# KiCad board led-ctrl-24v.kicad_pcb
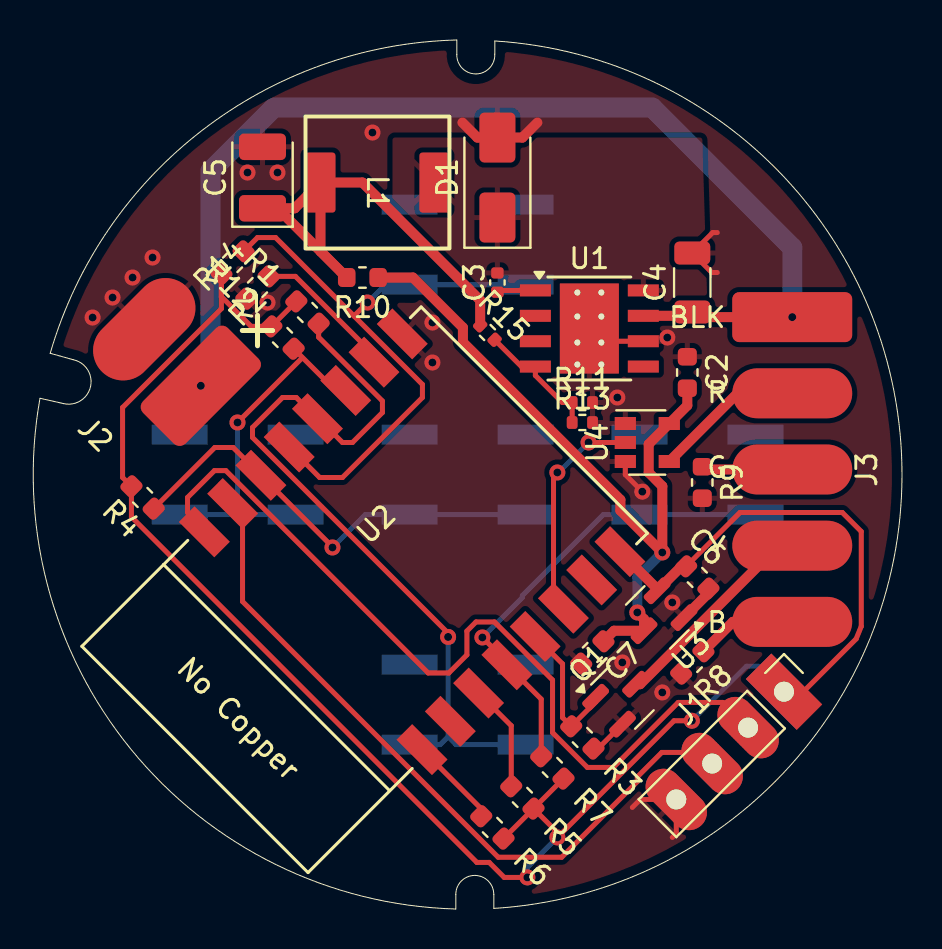
[diagram p0: board, top side]
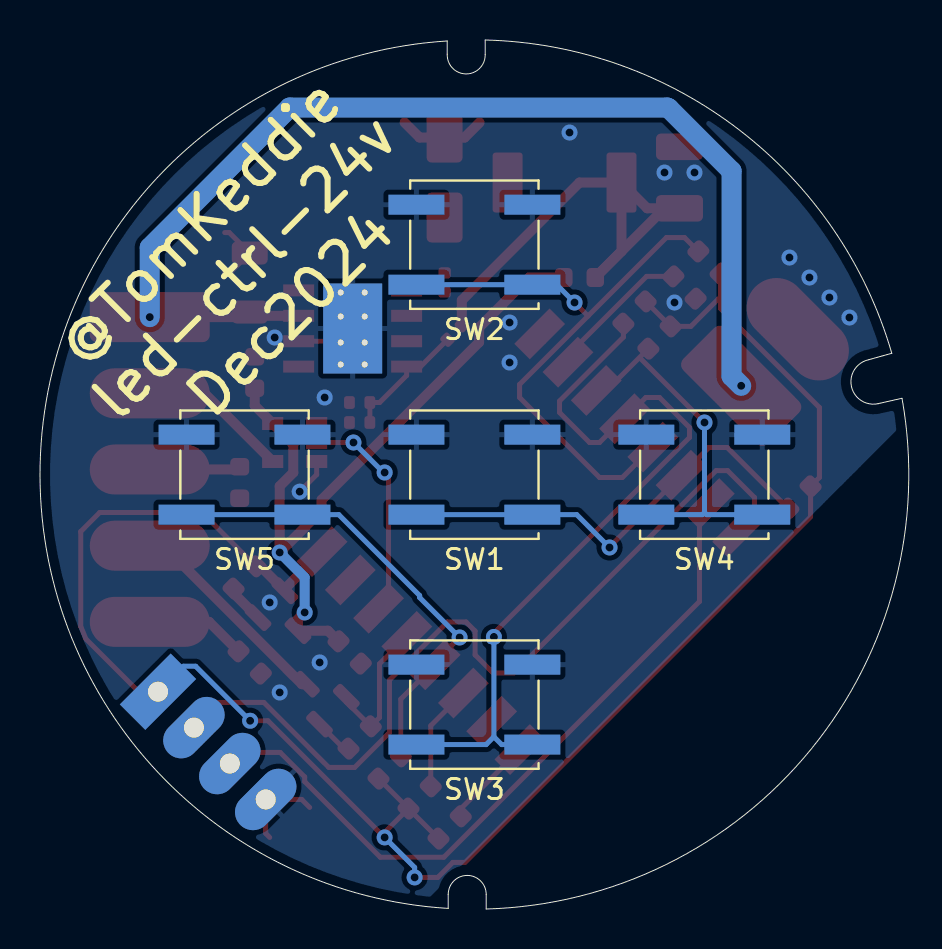
[diagram p1: board, bottom side, seen from below]

Outline 43.46 x 43.46 mm; copper layers: Top, Bottom. Coordinates in mm from the lower left corner of the outline.
Outline path: 21.19,43.46 arc(8.46,38.95) 0.85,27.79 2,27.47 arc(2.87,26.14) 1.53,25.27 0.34,25.54 ; 0.34,25.54 arc(4.88,8) 21.14,0 21.14,0.73 arc(22.09,1.68) 23.04,0.73 23.04,0.03 arc(43.46,21.7) 23.09,43.41 23.09,42.75 arc(22.15,41.76) 21.19,42.73 21.19,43.45

## Placement (name value [footprint] x y rotation side)
C2  100nF/50V/X7R  [C_0603_1608Metric]  32.72 26.83 90 top
C3  10nF/50V/X7R  [C_0402_1005Metric]  23.22 31.33 90 top
C4  10uF/50V/X5R  [C_1206_3216Metric]  32.97 31.33 90 top
C5  220uF/6.3V/TANT  [CP_EIA-3528-12_Kemet-T]  11.47 36.58 90 top
C6  10uF/10V/X5R  [C_0603_1608Metric]  33.22 16.58 315 top
C7  10uF/10V/X5R  [C_0603_1608Metric]  27.97 12.83 225 top
D1  B340  [D_SMA]  23.22 36.58 90 top
J1  Conn_01x04  [PinHeader_1x04_P2.54mm_Vertical]  37.56 10.87 315 top  (not fitted)
J2  Conn_01x02  [connector_1x02_pads]  6.97 27.58 135 top  (not fitted)
J3  Conn_01x05  [connector_1x05_pads]  37.97 21.98 270 top  (not fitted)
L1  33uH/1A  [CYA630]  17.22 36.33 180 top
Q1  AO3400A  [SOT-23]  29.47 10.58 45 top
R1  10k  [R_0603_1608Metric]  13.72 29.83 315 top
R2  10k  [R_0603_1608Metric]  9.97 32.33 45 top
R3  10k  [R_0603_1608Metric]  25.97 7.08 135 top
R4  10k  [R_0603_1608Metric]  5.47 20.58 315 top
R5  10k  [R_0603_1608Metric]  24.47 5.58 135 top
R6  10k  [R_0603_1608Metric]  22.97 4.08 135 top
R7  100k  [R_0603_1608Metric]  27.47 8.58 315 top
R8  0  [R_0603_1608Metric]  32.97 12.33 45 top
R9  0  [R_0603_1608Metric]  33.47 21.33 90 top
R10  0  [R_0603_1608Metric]  16.47 31.58 0 top
R11  10k  [R_0402_1005Metric]  27.47 25.33 0 top
R12  10k  [R_0603_1608Metric]  12.47 28.58 315 top
R13  4.7k  [R_0402_1005Metric]  27.47 24.33 0 top
R14  10k  [R_0603_1608Metric]  11.22 31.08 225 top
R15  10k  [R_0402_1005Metric]  22.72 28.83 315 top
SW1  SW_Push_Dual  [SW_Push_1P1T_NO_CK_KSC6xxJ]  21.73 21.72 180 bottom  (not fitted)
SW2  SW_Push_Dual  [SW_Push_1P1T_NO_CK_KSC6xxJ]  21.73 33.22 180 bottom  (not fitted)
SW3  SW_Push_Dual  [SW_Push_1P1T_NO_CK_KSC6xxJ]  21.73 10.22 180 bottom  (not fitted)
SW4  SW_Push_Dual  [SW_Push_1P1T_NO_CK_KSC6xxJ]  10.23 21.72 180 bottom  (not fitted)
SW5  SW_Push_Dual  [SW_Push_1P1T_NO_CK_KSC6xxJ]  33.23 21.72 180 bottom  (not fitted)
U1  TPS5430DDA  [TI_SO-PowerPAD-8_ThermalVias]  27.82 29.03 0 top
U2  ESP-12  [ESP-12E_SMD]  18.96 8.47 135 top
U3  XC6206P332MR-G  [SOT-23]  31.22 14.58 225 top
U4  74LVC1G125  [SOT-23-5]  30.72 23.33 0 top

## Library data of the parts
C2 = -: Datasheet: https://datasheet.lcsc.com/lcsc/1809301912_YAGEO-CC0603KRX7R9BB104_C14663.pdf; Description: 50V 100nF X7R   10% 0603 Multilayer Ceramic Capacitors MLCC - SMD SMT ROHS; LCSC: C14663; MFG: YAGEO; MFGPN: CC0603KRX7R9BB104
C3 = -: Datasheet: https://datasheet.lcsc.com/lcsc/1809301912_YAGEO-CC0603KRX7R9BB104_C14663.pdf; Description: 50V 10nF X7R   10% 0402 Multilayer Ceramic Capacitors MLCC - SMD SMT ROHS; LCSC: C15195
C4 = -: Description: 50V 10uF X5R   10% 2220 Multilayer Ceramic Capacitors MLCC - SMD SMT ROHS; LCSC: C13585
C5 = -: Description: 6.3V 220uF TANTULUM; LCSC: C696794
C6 C7 = -: Datasheet: https://datasheet.lcsc.com/lcsc/1810191219_Samsung-Electro-Mechanics-CL10A106KP8NNNC_C19702.pdf; LCSC: C19702; MFG: Samsung Electro-Mechanics; MFGPN: CL10A106KP8NNNC
D1 = -: Datasheet: http://www.jameco.com/Jameco/Products/ProdDS/1538777.pdf; Description: 20V 3A Schottky Barrier Rectifier Diode, SMA; LCSC: C64982; ki_fp_filters: D*SMC*
J1 = -: ki_fp_filters: Connector*:*_1x??_*
J2 = -: Description: Generic connector, single row, 01x02, script generated (kicad-library-utils/schlib/autogen/connector/); ki_fp_filters: Connector*:*_1x??_*
J3 = -: Description: Generic connector, single row, 01x05, script generated (kicad-library-utils/schlib/autogen/connector/); ki_fp_filters: Connector*:*_1x??_*
L1 = -: Description: Inductor, small symbol; LCSC: C5189961; ki_fp_filters: Choke_* *Coil* Inductor_* L_*
Q1 = -: Description: N-JFET transistor, gate/source/drain; LCSC: C20917; JLCPCB_ROTATION_DELTA: 180
R1-R6 R12 R14 = -: Datasheet: https://datasheet.lcsc.com/lcsc/2110260030_UNI-ROYAL-Uniroyal-Elec-0603WAF1002T5E_C25804.pdf; LCSC: C25804; MFG: UNI-ROYAL(Uniroyal Elec); MFGPN: 0603WAF1002T5E
R7 = -: Description: Resistor, small symbol; LCSC: C21190; MFG: UNI-ROYAL(Uniroyal Elec); MFGPN: 0603WAF0000T5E; ki_fp_filters: R_*
R8-R10 = -: Datasheet: https://datasheet.lcsc.com/lcsc/2110252030_UNI-ROYAL-Uniroyal-Elec-0603WAF0000T5E_C21189.pdf; Description: 1% 1 10W Thick Film Resistors 75V -55    155   0   0603 Chip Resistor - Surface Mount ROHS; LCSC: C21189; MFG: UNI-ROYAL(Uniroyal Elec); MFGPN: 0603WAF0000T5E
R11 = -: LCSC: C25744; MFG: UNI-ROYAL(Uniroyal Elec)
R13 = -: LCSC: C25900
R15 = -: LCSC: C25744
SW1-SW5 = -: Description: Push button switch, generic, symbol, four pins
U1 = -: Datasheet: http://www.ti.com/lit/ds/symlink/tps5430.pdf; Description: 3A, Step Down Swift Converter, Adjustable Output Voltage, 5.5-36V Input Voltage, PowerSO-8; JLCPCB_ROTATION_DELTA: 90; ki_fp_filters: TI*SO*PowerPAD*ThermalVias*
U2 = -: Datasheet: http://l0l.org.uk/2014/12/esp8266-modules-hardware-guide-gotta-catch-em-all/; LCSC: C82891; JLCPCB_ROTATION_DELTA: -90; ki_fp_filters: ESP-07* ESP-12*
U3 = -: Description: 300mA Low Dropout Voltage Regulator, Fixed Output 3.3V, SOT-23; LCSC: C5446; JLCPCB_ROTATION_DELTA: 180; ki_fp_filters: SOT?23*
U4 = -: Datasheet: https://www.ti.com/lit/ds/symlink/sn74lvc1g125.pdf; LCSC: C23654; JLCPCB_ROTATION_DELTA: -90; ki_fp_filters: SOT?23* Texas?R-PDSO-G5?DCK* Texas?R-PDSO-N5?DRL* Texas?X2SON*0.8x0.8mm*P0.48mm*

## Footprints (pads in the part's own frame, mm; a bottom-side part is the same pattern mirrored in y, then rotated)
C_0402_1005Metric
  rrect 0.56x0.62 smd: 1(-0.48,0) 2(0.48,0)
C_0603_1608Metric
  rrect 0.875x0.95 smd: 1(-0.788,0) 2(0.788,0)
C_1206_3216Metric
  rrect 1.15x1.8 smd: 1(-1.475,0) 2(1.475,0)
connector_1x02_pads
  rrect 3x6 smd: 1(-2,0)
  oval 3x6 smd: 2(2,0)
connector_1x05_pads
  rrect 2.5x6 smd: 1(-7.62,0)
  oval 2.5x6 smd: 2(-3.81,0) 3(0,0) 4(3.81,0) 5(7.62,0)
CP_EIA-3528-12_Kemet-T
  rrect 1.325x2.35 smd: 1(-1.538,0) 2(1.538,0)
CYA630
  rrect 1.5x3 smd: 1(-2.85,0) 2(2.85,0)
D_SMA
  rrect 2.5x1.8 smd: 1(-2,0) 2(2,0)
ESP-12E_SMD
  rect 2.5x1.1 smd: 1(0,0) 2(0,-2) 3(0,-4) 4(0,-6) 5(0,-8) 6(0,-10) 7(0,-12) 8(0,-14) 9(14,-14) 10(14,-12) 11(14,-10) 12(14,-8) 13(14,-6) 14(14,-4) 15(14,-2) 16(14,0)
PinHeader_1x04_P2.54mm_Vertical
  rect 3.6x1.8 hole 1: 1(0,0)
  oval 3.6x1.8 hole 1: 2(0,-2.54) 3(0,-5.08) 4(0,-7.62)
R_0402_1005Metric
  rrect 0.54x0.64 smd: 1(-0.51,0) 2(0.51,0)
R_0603_1608Metric
  rrect 0.875x0.95 smd: 1(-0.788,0) 2(0.788,0)
SOT-23
  rrect 1.475x0.6 smd: 1(-0.938,0.95) 2(-0.938,-0.95) 3(0.938,0)
SOT-23-5
  rect 1.06x0.65 smd: 1(-1.1,0.95) 2(-1.1,0) 3(-1.1,-0.95) 4(1.1,-0.95) 5(1.1,0.95)
SW_Push_1P1T_NO_CK_KSC6xxJ
  rect 2.8x1 smd: 1(-2.9,2) 1(2.9,2) 2(-2.9,-2) 2(2.9,-2)
TI_SO-PowerPAD-8_ThermalVias
  rect 1.55x0.6 smd: 1(-2.7,1.905) 2(-2.7,0.635) 3(-2.7,-0.635) 4(-2.7,-1.905) 5(2.7,-1.905) 6(2.7,-0.635) 7(2.7,0.635) 8(2.7,1.905)
  round 0.6 hole 0.3: 9(-0.6,1.8) 9(-0.6,0.6) 9(-0.6,-0.7) 9(-0.6,-1.8) 9(0.6,1.8) 9(0.6,0.6) 9(0.6,-0.7) 9(0.6,-1.8)
  rect 2.6x3.1 smd: 9(0,0)
  rect 2.95x4.5 smd: 9(0,0)
  rect 2.95x4.5 smd far side: 9(0,0)

## Nets
+3.3V: C6.1 J1.1 R1.1 R2.1 R3.1 R4.1 R5.1 R6.1 R12.1 U2.8 U3.2
+5V: C2.1 C7.1 R10.2 U3.3 U4.5
+24V: C4.1 J2.1 J3.1 U1.7
GND: C2.2 C4.2 C5.2 C6.2 C7.2 D1.2 J1.4 J2.2 Q1.2 R7.2 R8.1 R9.1 R11.2 R13.2 R14.2 SW1.1 SW2.1 SW3.1 SW4.1 SW5.1 U1.6 U1.9 U2.9 U3.1 U4.1 U4.3
/BTN0: R4.2 SW1.2 U2.14
/BTN1: R2.2 SW2.2 U2.13
/BTN2: R1.2 SW3.2 U2.12
/BTN3: R12.2 SW4.2 U2.11
/BTN4: R3.2 SW5.2 U2.4
/CH_PD: R5.2 U2.3
/GPIO13: U2.7
/GPIO14: Q1.1 R7.1 U2.5
/GPIO15: R14.1 U2.10
/LED_DIN: U2.6 U4.2
/LED_DIN_5V: J3.2 U4.4
/PH: C3.2 D1.1 L1.1 U1.8
/REST: R6.2 U2.1
/RXD: J1.3 U2.15
/TXD: J1.2 U2.16
/VOUT: C5.1 L1.2 R10.1 R15.1
/VSENSE: R11.1 R13.1 R15.2 U1.4
/~{LED_WHITE}: J3.4 Q1.3
Net-(J3-Pin_3): J3.3 R9.2
Net-(J3-Pin_5): J3.5 R8.2
Net-(U1-BOOT): C3.1 U1.1

Pads without a net: U1 2 3 5; U2 2

## Via types
v1: diameter 0.8, hole 0.4, Top to Bottom, 30 vias

## Routing (per net, layer and track width the routed paths; a pad name or vN(x,y) marks a point on that pad's centre or on a via; arc(x,y) is an arc through that point)
+3.3V: length 97.7
  Top w0.25: v1(32.95,9.41) 32.05,9.41 v1(26.22,3.58) 26.22,3.83 R5.1 ; R1.1 R12.1 10.9,29.14 9.41,30.62 R2.1 9.41,30.02 4.47,25.08 4.47,21.58 R4.1 4.91,19.61 22.19,2.33 22.81,2.33 23.56,1.58 v1(24.72,1.58) ; J1.1 38.52,10.87 41.16,13.51 41.42,14.14 41.42,18.88 40.47,19.83 35.36,19.83 C6.1 ; R6.1 R3.1
  Top w0.5: C6.1 32.43,17.14 U3.2 31.21,16.01 U2.8
  Bottom w0.25: v1(32.95,9.41) 35.67,12.14 36.28,12.14 J1.1 ; v1(24.72,1.58) 24.72,2.08 v1(26.22,3.58)
+5V: length 36.8
  Top w0.5: C7.1 29.06,13.92 U3.3 30.56,14.49 v1(30.22,14.83) ; C2.1 32.72,25.18 U4.5 30.79,23.25 30.79,21.82 31.47,21.14 v1(31.47,17.83) 29.37,19.93 29.37,20.46 21.5,28.34 21.5,29.08 18.99,31.58 R10.2
  Bottom w0.5: v1(30.22,14.83) 30.22,16.58 v1(31.47,17.83)
+24V: length 55.4
  Top w0.5: v1(37.97,29.6) 33.22,29.6 C4.1 32.78,29.67 30.52,29.67
  Bottom w1: v1(8.38,26.17) 8.87,26.65 8.87,36.9 12,40.03 12.08,40.08 30.97,40.08 37.97,33.08 v1(37.97,29.6)
GND: length 20.8
  Top w0.25: U4.3 29.62,21.72 v1(30.47,20.87) ; U1.6 28.45,28.4 ; 34.22,33.83 33.99,33.83 C4.2 33.94,31.83 34.22,31.83 ; R7.2 28.26,8.02 Q1.2 ; 29.97,5.08 30.37,5.48 J1.4 32.17,3.78 31.97,3.58
  Top w0.5: C6.2 33.78,15.79 U3.1 ; 25.22,39.33 24.47,38.58 D1.2 22.22,38.58 21.47,39.33 ; 28.45,28.4 U1.9
  vias: v1(2.97,29.58) v1(3.97,30.58) v1(4.97,31.58) v1(5.97,32.58) v1(10.72,36.83) v1(11.72,30.33) v1(12.22,36.83) v1(16.97,38.83) v1(19.97,29.33) v1(19.97,27.33) v1(29.22,25.58) v1(29.47,12.33) v1(31.47,10.83) v1(31.72,28.58) v1(31.97,15.33)
/BTN0: length 22.6
  Top w0.25: R4.2 9.08,23.08 10,23.08 U2.14 14.97,18.11 v1(14.97,18.08)
  Bottom w0.25: v1(14.97,18.08) 16.61,19.72 SW1.2 SW1.2
/BTN1: length 30.4
  Top w0.25: 16.05,29.66 19.47,26.23 19.47,25.58 15.47,21.58 14.33,21.58 U2.13 ; 16.05,29.66 12.12,33.58 11.22,33.58 R2.2 ; 16.05,29.66 v1(16.72,30.33)
  Bottom w0.25: SW2.2 SW2.2 17.61,31.22 v1(16.72,30.33)
/BTN2: length 40.4
  Top w0.25: v1(20.75,13.61) 20.75,13.8 10.97,23.58 10.97,24.08 12.47,25.58 13.16,25.58 U2.12 14.78,24.02 15.47,23.33 15.97,23.33 17.47,24.83 17.47,25.4 14.28,28.6 R1.2
  Bottom w0.25: SW3.2 21.15,8.22 20.75,8.61 ; SW3.2 20.36,8.22 20.75,8.61 ; 20.75,8.61 v1(20.75,13.61) 20.97,13.39
/BTN3: length 19
  Top w0.25: R12.2 15.61,25.44 U2.11 ; 13.38,27.49 v1(10.22,24.33)
  Bottom w0.25: v1(10.22,24.33) 10.22,19.83 ; 10.22,19.83 10.11,19.72 7.83,19.72 ; 10.22,19.83 10.33,19.72 13.63,19.72
/BTN4: length 23.4
  Top w0.25: v1(22.47,13.58) 23.2,12.85 U2.4 25.41,10.5 R3.2
  Bottom w0.25: v1(22.47,13.58) 24.47,15.58 24.47,15.68 28.51,19.72 SW5.2 SW5.2
/CH_PD: length 6
  Top w0.25: U2.3 23.91,9.17 R5.2
/GPIO14: length 7.9
  Top w0.25: U2.5 26.48,12.26 26.48,9.57 R7.1 28.14,10.36 Q1.1
/GPIO15: length 8
  Top w0.25: U2.10 17.54,27.21 13.11,31.64 R14.1
/LED_DIN: length 10.4
  Top w0.25: U4.2 v1(27.78,23.33) ; v1(26.22,21.83) 26.03,21.64 U2.6
  Bottom w0.25: v1(27.78,23.33) 26.28,21.83 v1(26.22,21.83)
/LED_DIN_5V: length 7.6
  Top w0.5: U4.4 35.23,25.79 J3.2
/REST: length 5.3
  Top w0.25: R6.2 22.41,5.01 U2.1
/RXD: length 35.7
  Top w0.25: J1.3 33.41,7.83 31.44,7.83 30.22,6.61 30.22,6.37 26.44,2.59 23.26,2.59 10.47,15.38 U2.15
/TXD: length 43.7
  Top w0.25: U2.16 9.06,18.49 7.72,19.83 7.72,20.58 9.06,21.92 9.64,21.92 19.75,11.81 20.79,11.81 21.69,12.71 21.69,13.9 22.15,14.36 23.07,14.36 25.98,11.45 25.98,8.82 27.72,7.08 29.01,7.08 32.26,10.33 34.5,10.33 J1.2
/VOUT: length 26.1
  Top w0.5: L1.2 13.08,35.04 C5.1 12.22,35.04 R10.1 14.37,32.89 L1.2 ; L1.2 16.47,36.33 22.36,30.44 R15.1
/VSENSE: length 6.4
  Top w0.25: R13.1 R11.1 26.47,25.33 25.12,26.68 U1.4 24.42,27.13 R15.2
/~{LED_WHITE}: length 10.7
  Top w0.5: Q1.3 30.36,11.24 37.28,18.17 J3.4
Net-(J3-Pin_3): length 4.6
  Top w0.5: J3.3 33.61,21.98 R9.2
Net-(J3-Pin_5): length 5.1
  Top w0.5: R8.2 35,14.36 J3.5
Net-(U1-BOOT): length 1.9
  Top w0.25: U1.1 23.3,30.94 C3.1

## Copper pours and planes (outline as drawn; the poured copper is in the pictures)
GND on Top, Bottom: -3.53,49.08 46.47,49.08 46.47,-5.92 -3.53,-5.92
/PH on Top: 17.97,38.58 33.47,38.58 33.72,30.33 17.97,30.58

## Text on the board
B.Silkscreen: @TomKeddie / led-ctrl-24v / Dec2024
F.Silkscreen: R | G | Y | B | BLK | +
